# Altium PCB mdriver_control.PcbDoc (part 1 of 3)
Units mm, origin at the board's own origin, x right, y up, seen from the top; angles counter-clockwise.
Board outline 165 x 187 mm, 4 copper layers (Top Layer, Int1 (GND), Int2 (PWR), Bottom Layer), stack 1.369 mm thick; 150 components, 152 nets, 724 pads, 366 vias.
Unrouted connection lines stored in the file: 52.
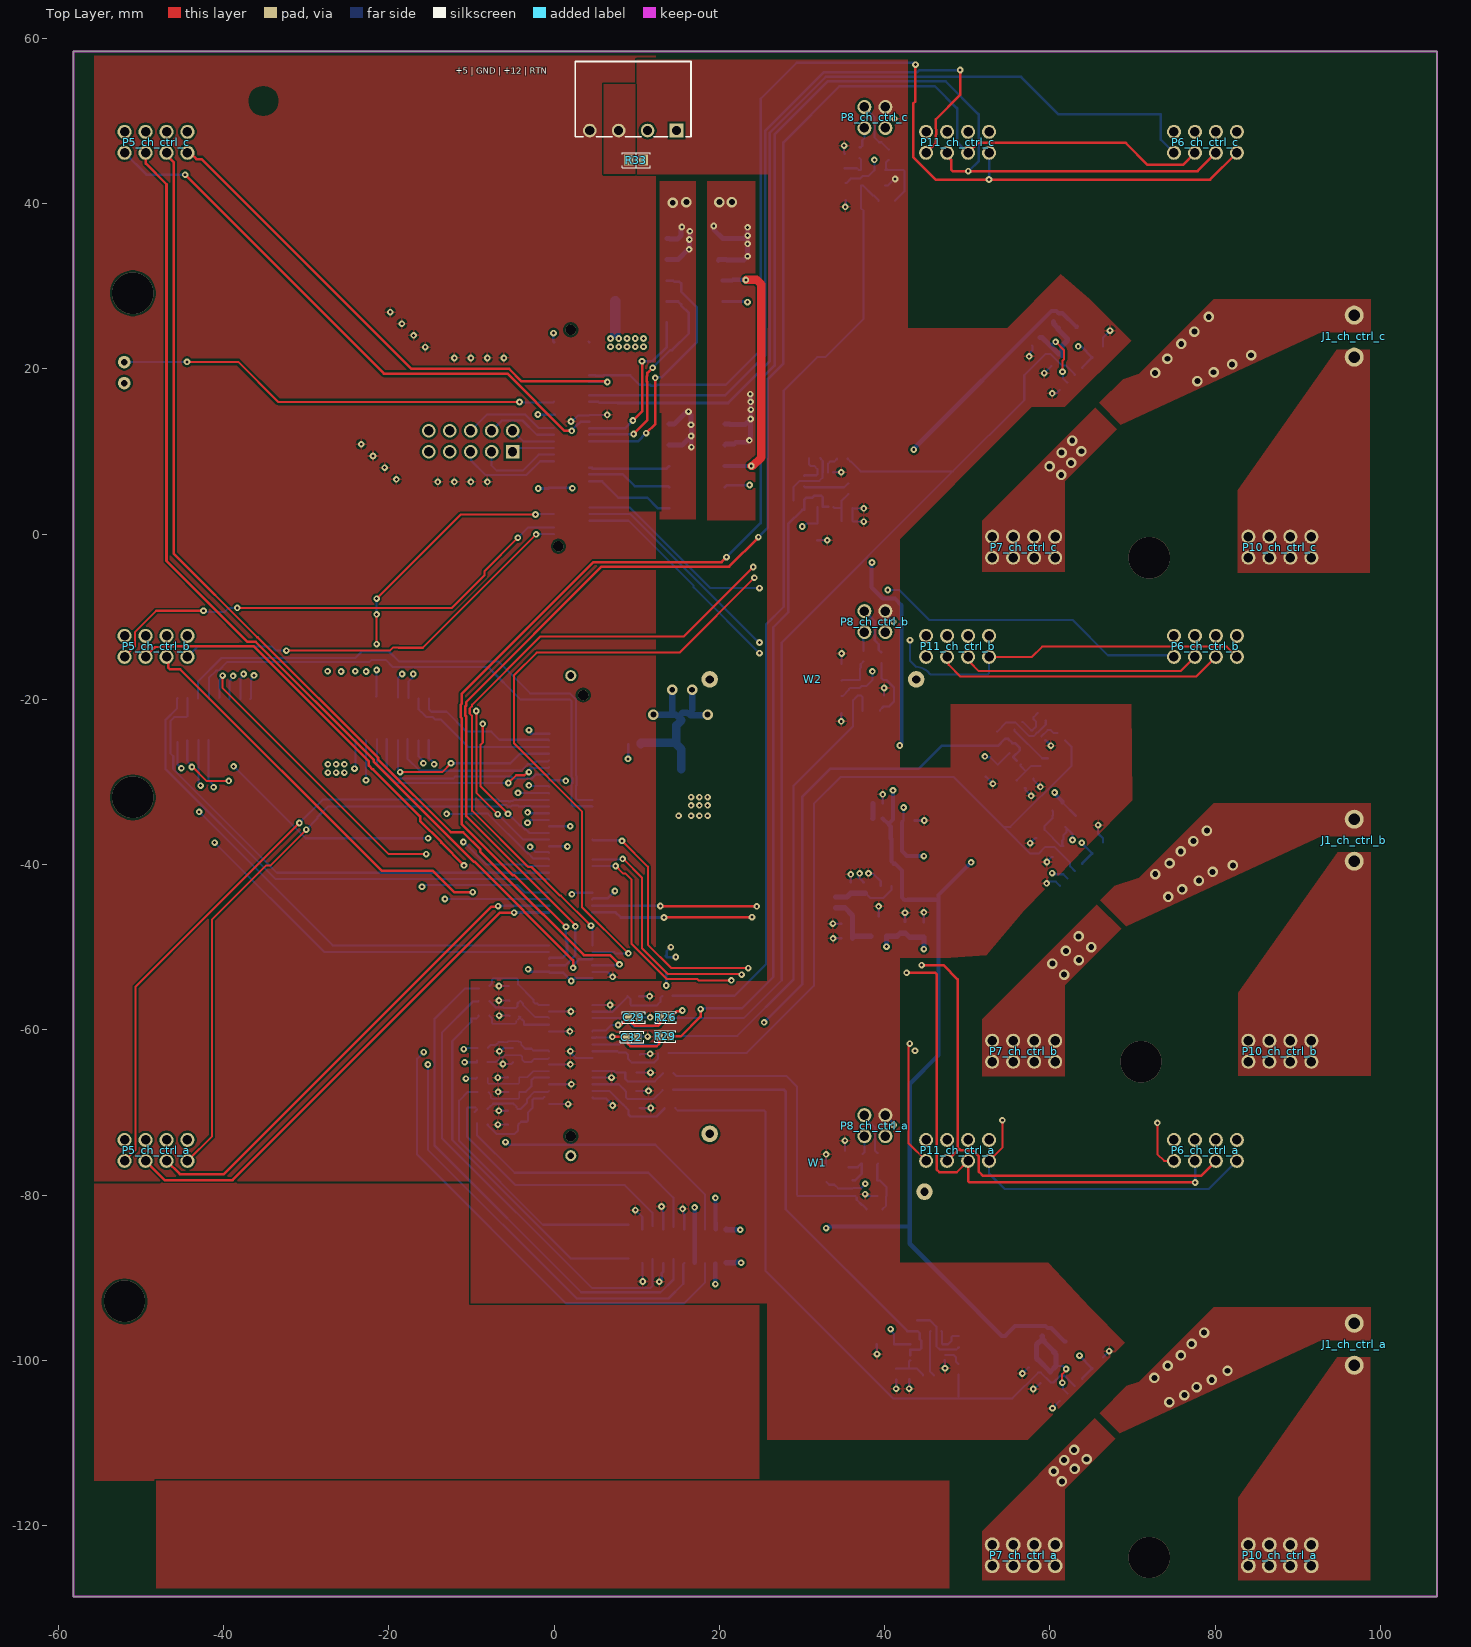
[diagram p0: Top Layer view]
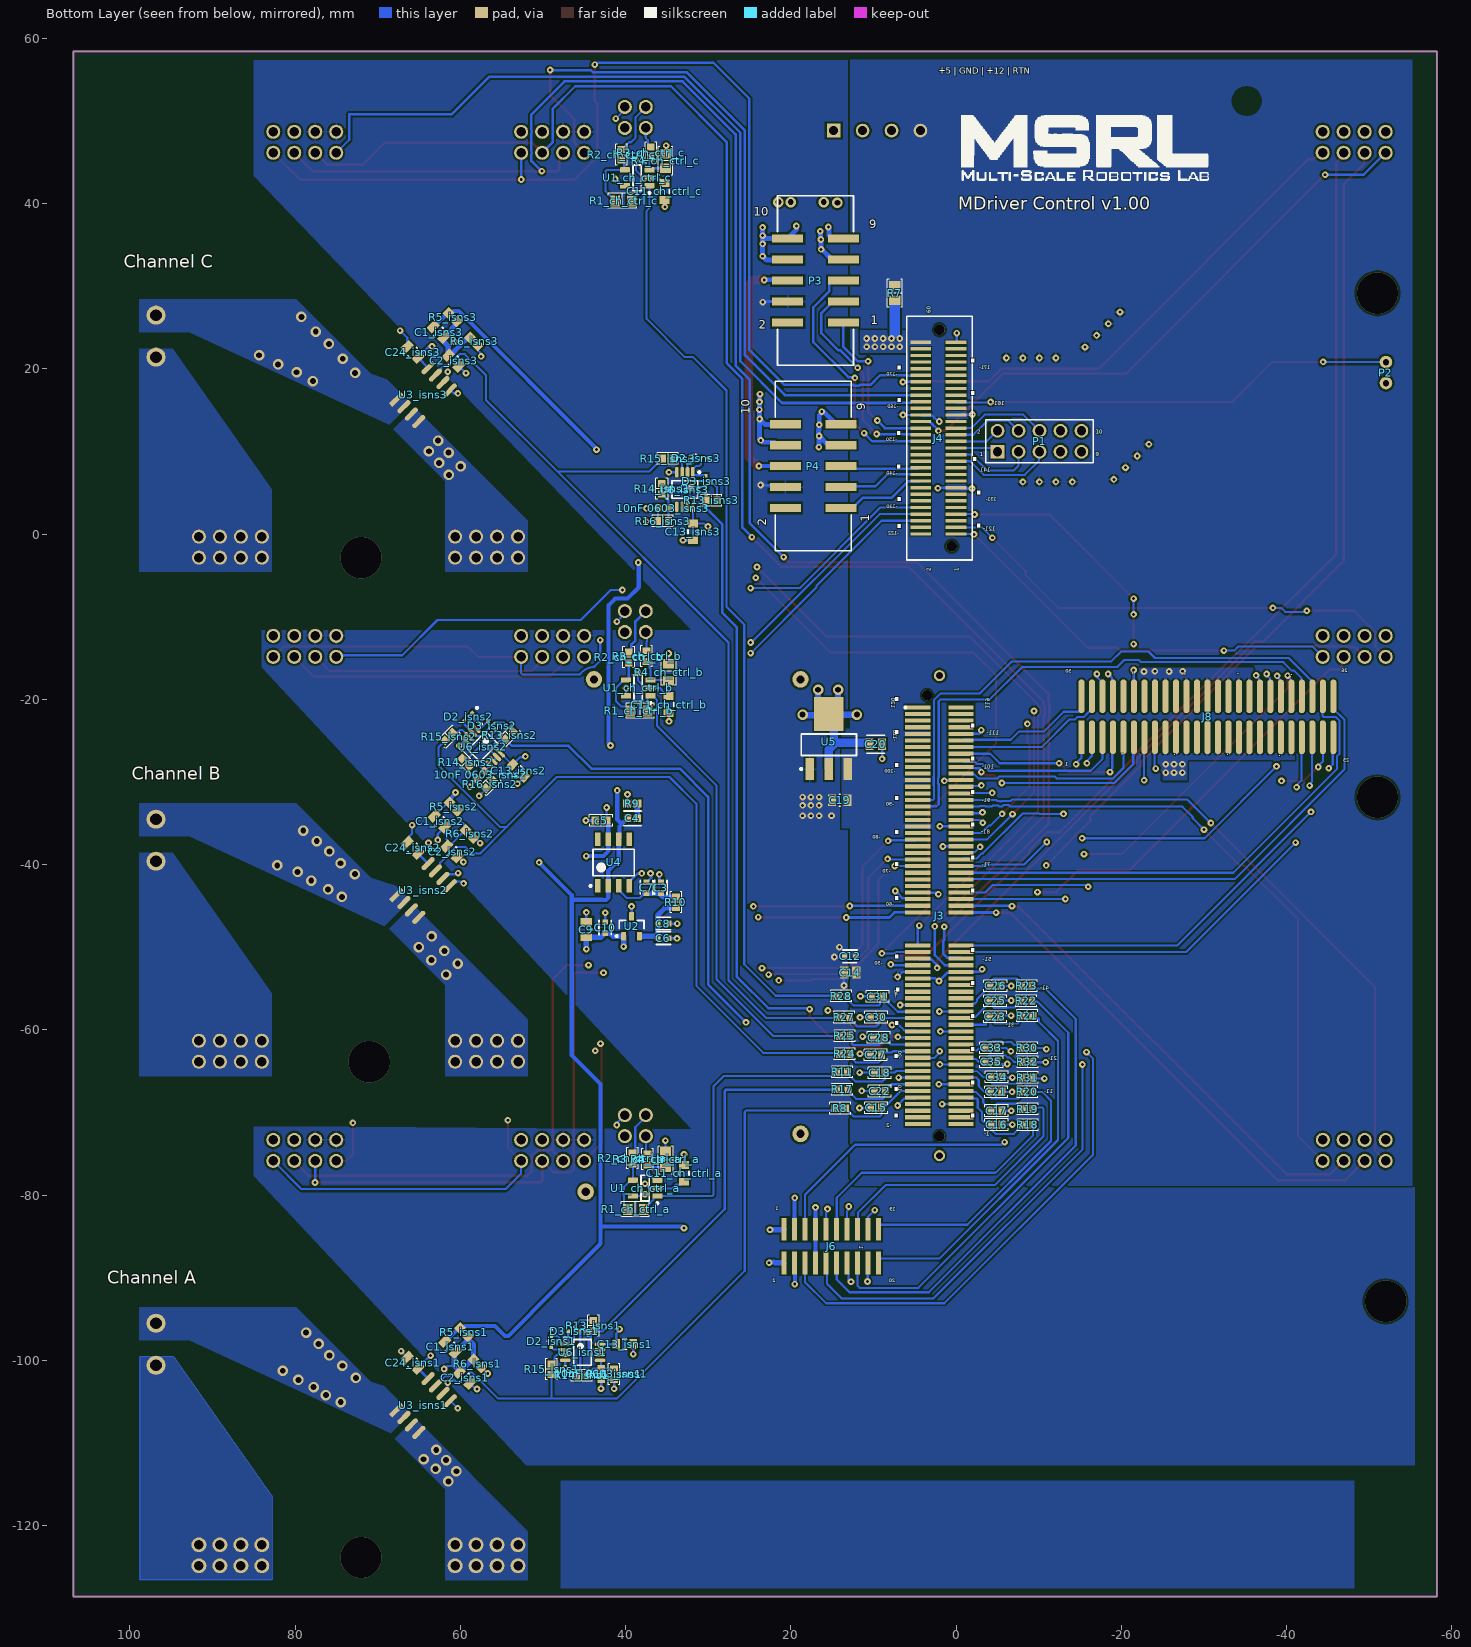
[diagram p1: Bottom Layer view, seen from below]
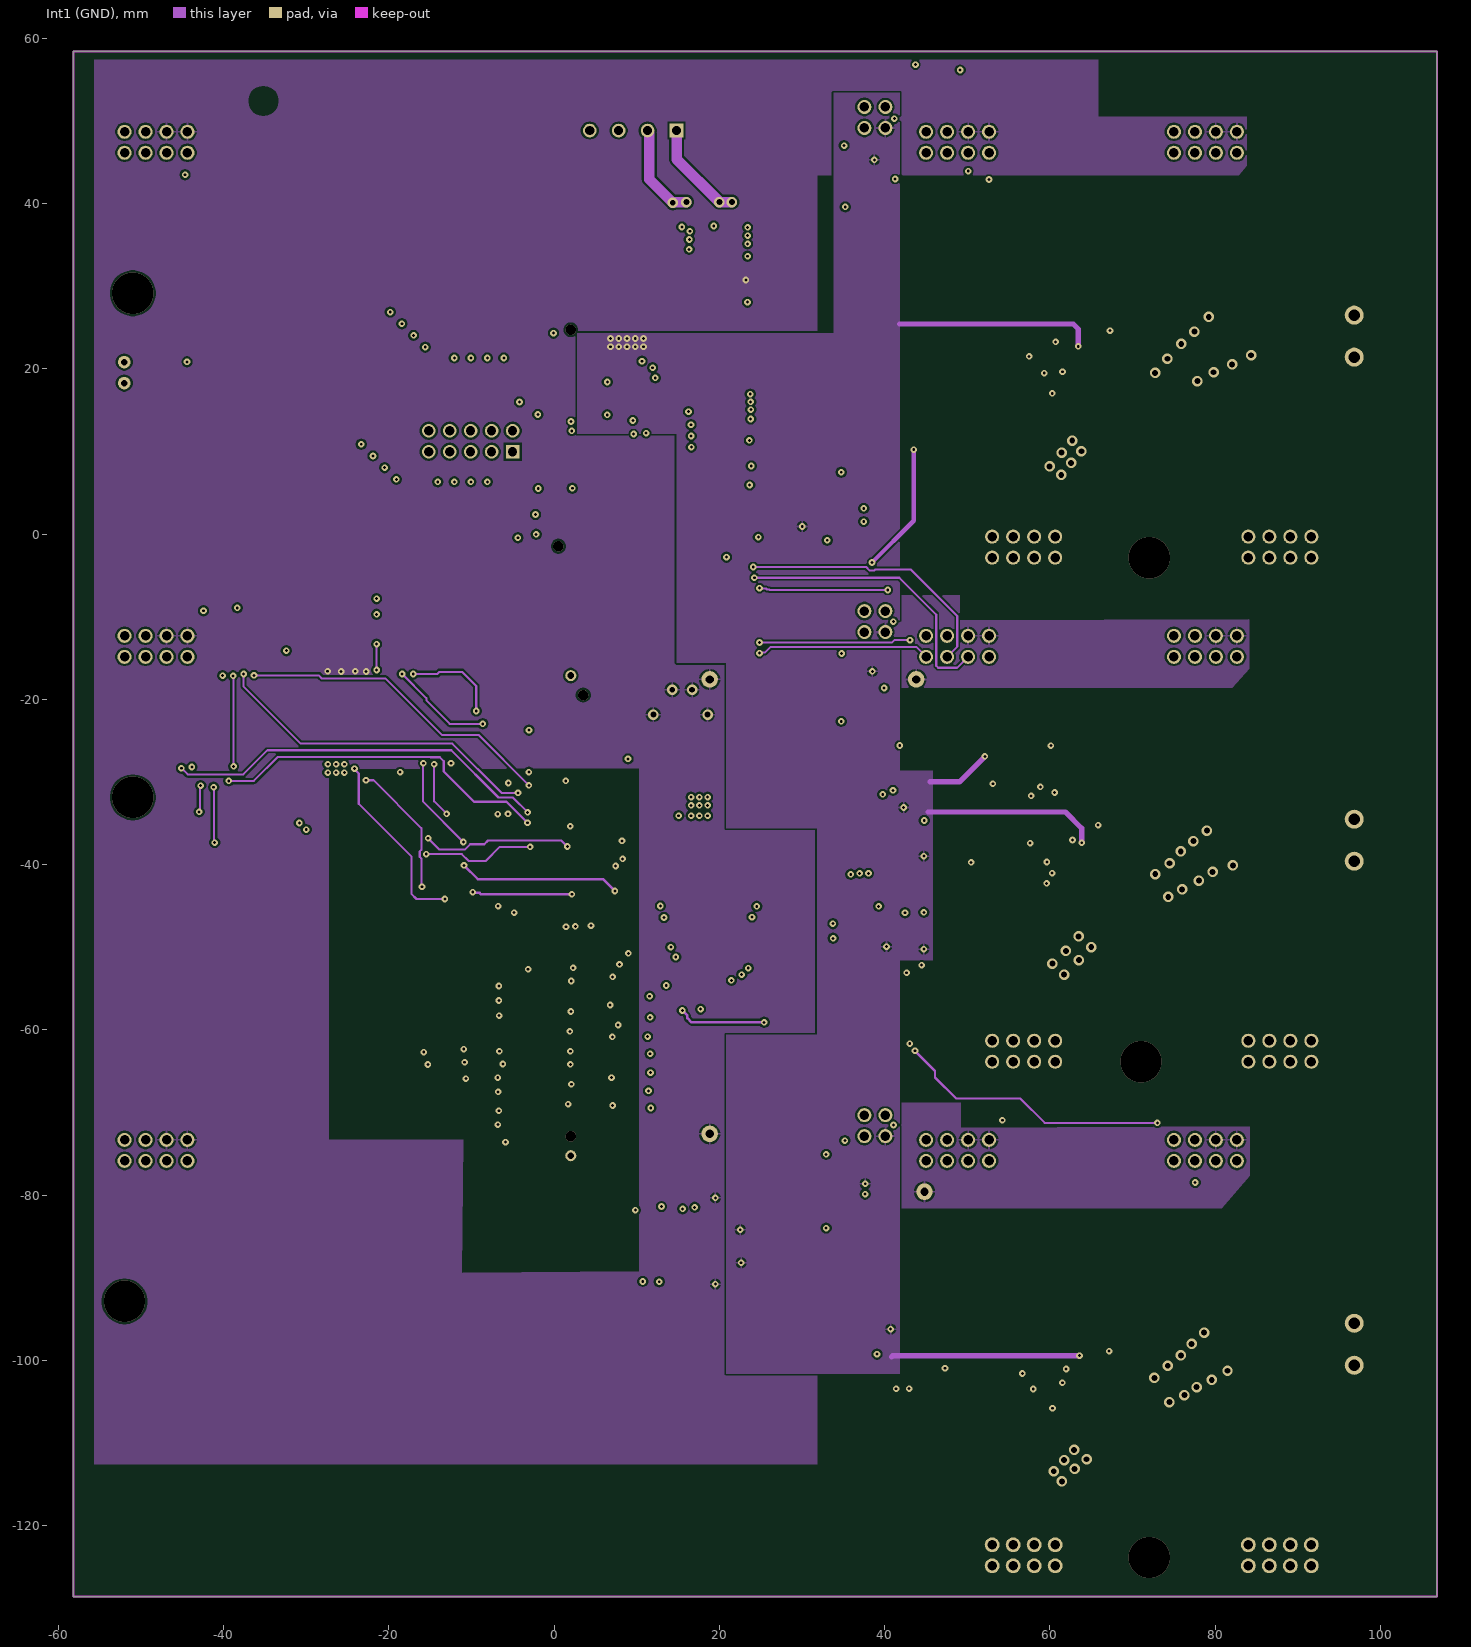
[diagram p2: Int1 (GND)]
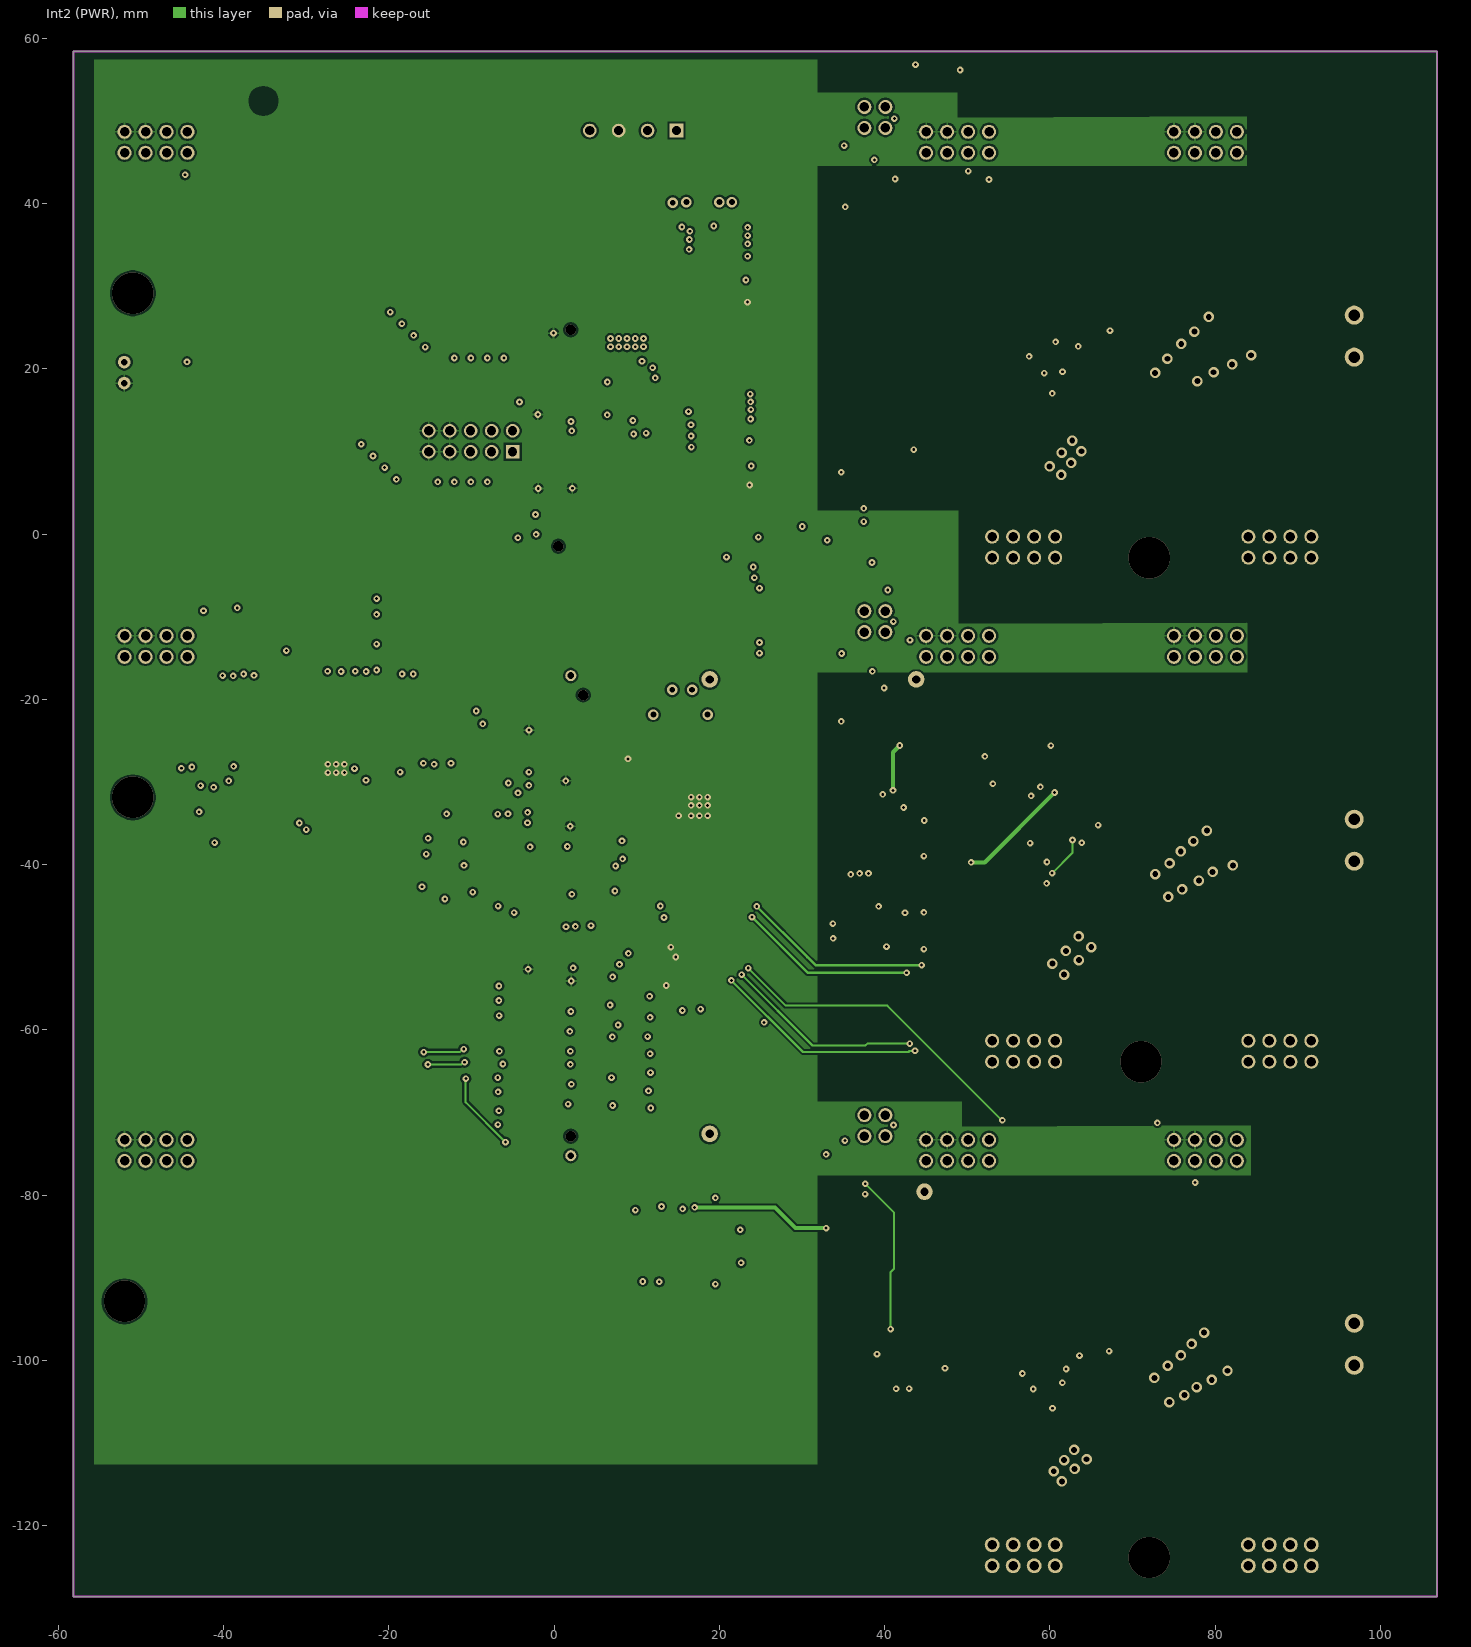
[diagram p3: Int2 (PWR)]
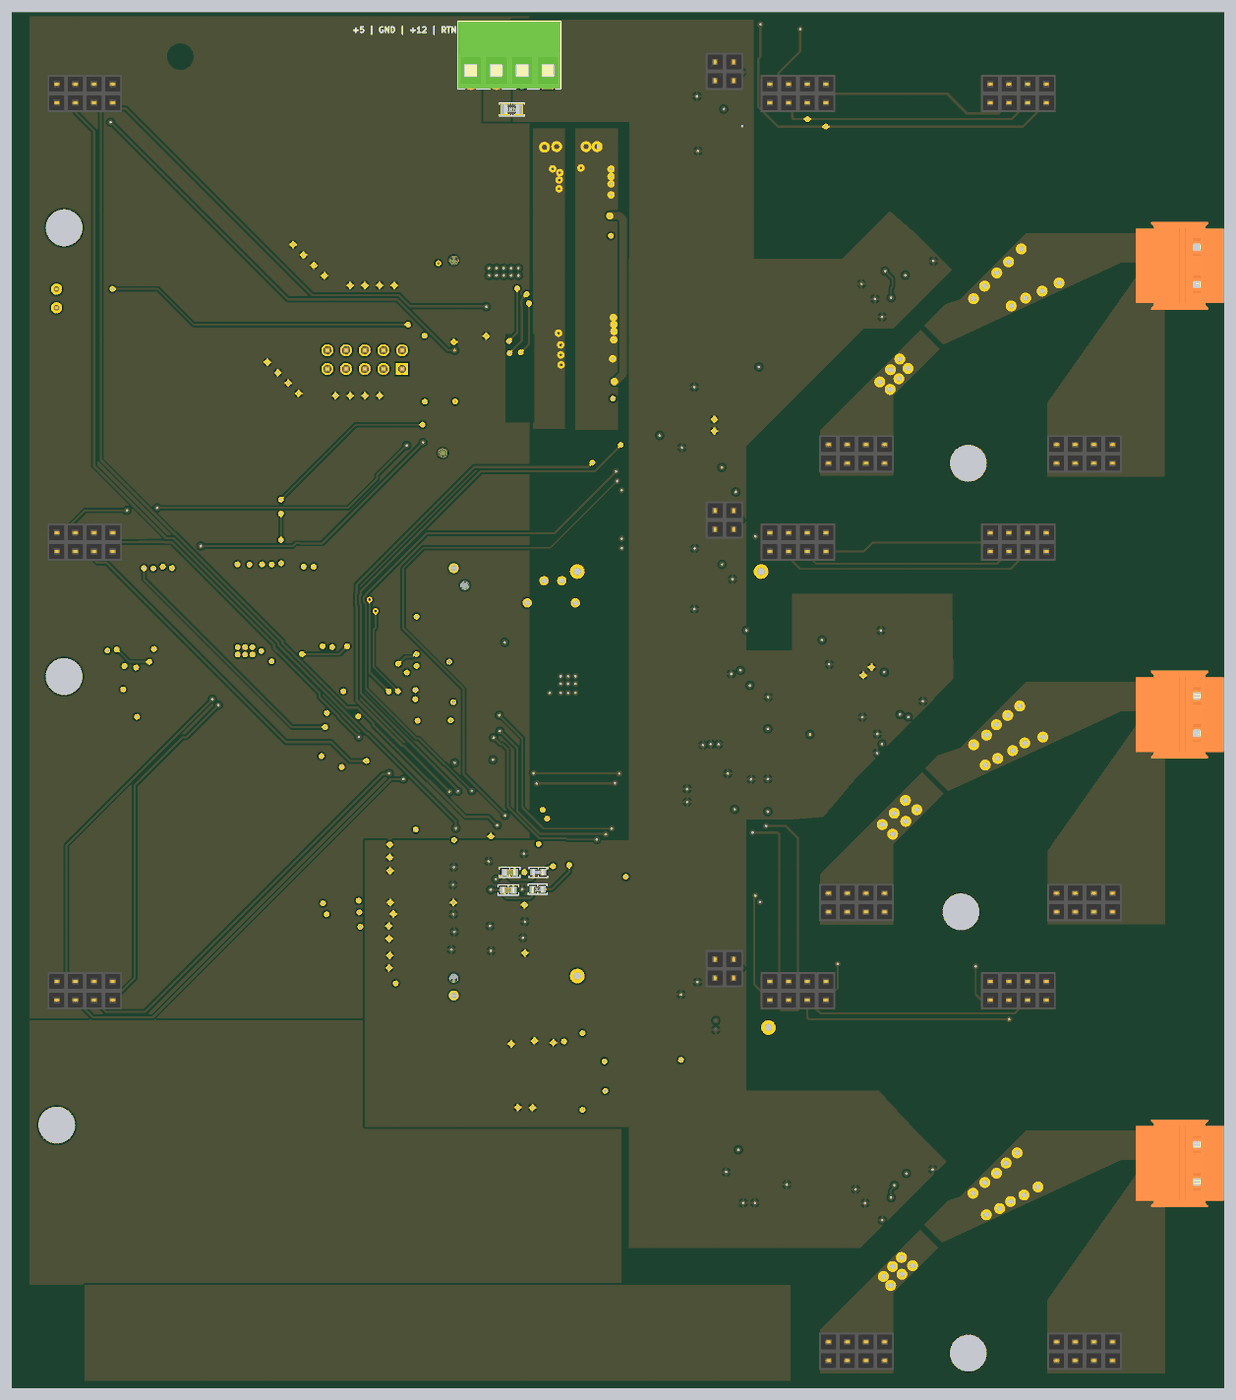
[diagram p6: 3D render of the assembled board from above, using the file's embedded part models]
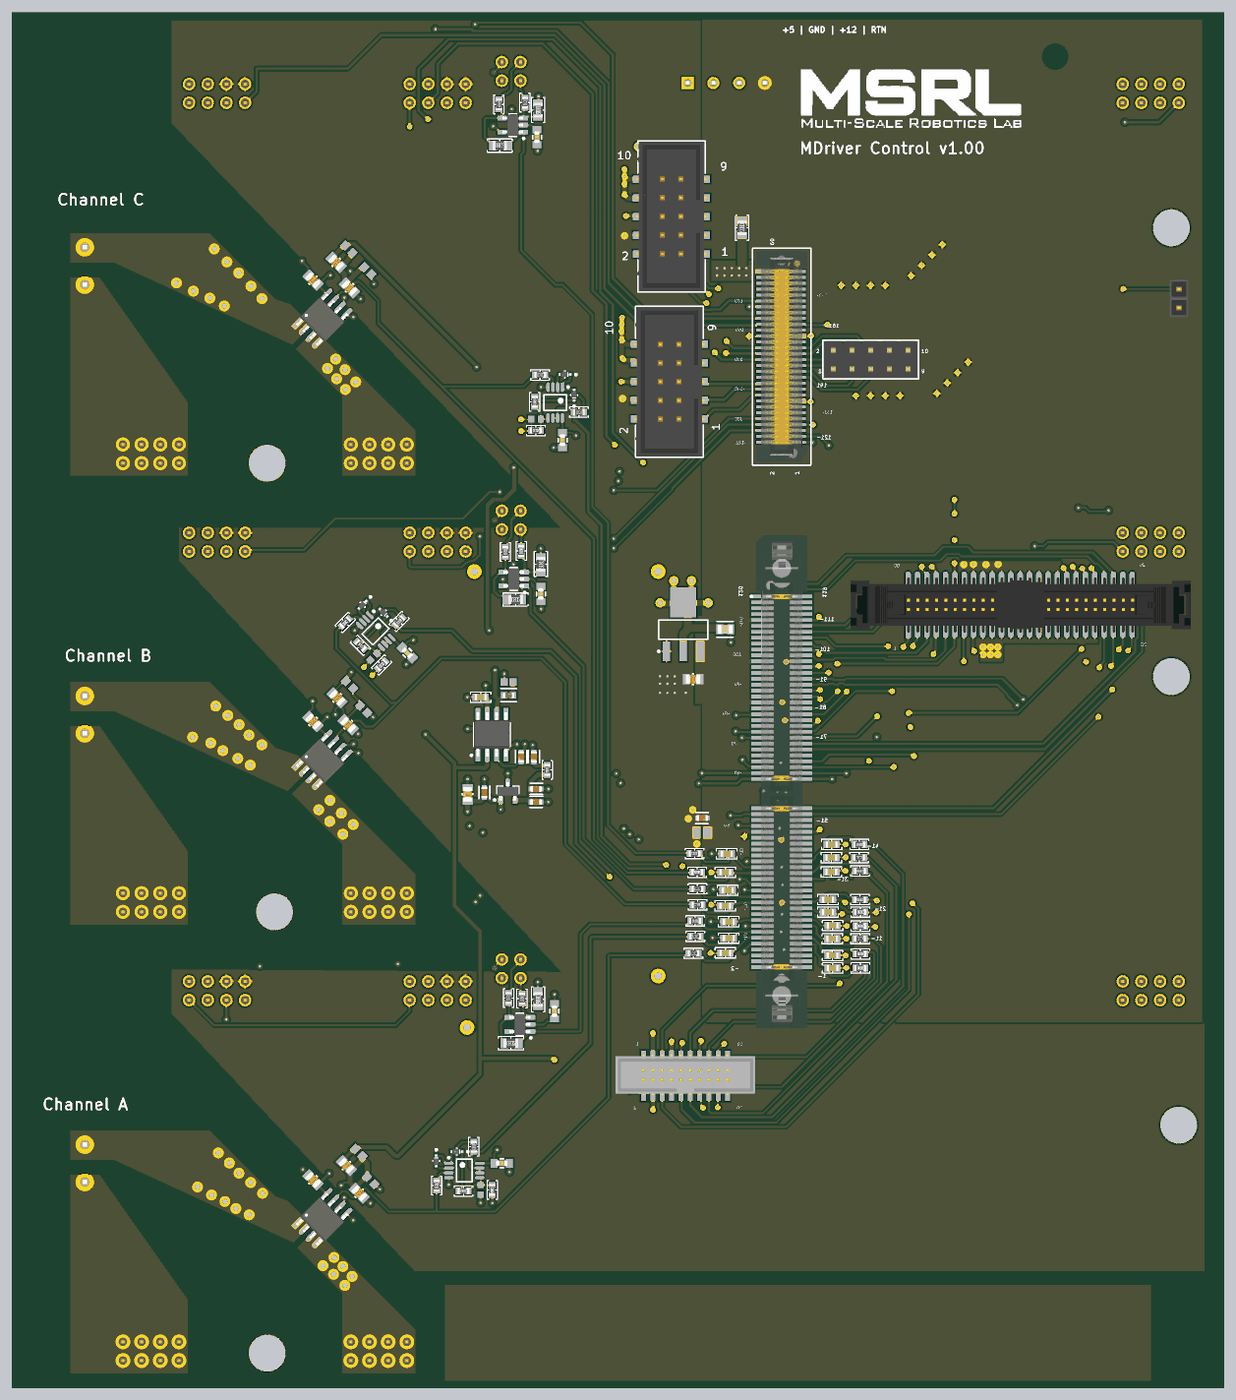
[diagram p7: 3D render of the assembled board from below, using the file's embedded part models]

## Layer stack, top to bottom
Top Solder: solder mask 0.0254, SM-001, Dk 4
Top Layer: signal copper 0.035
Dielectric 1: prepreg 0.1295, PP-017, Dk 4.3
Dielectric 2: prepreg 0.1295, PP-017, Dk 4.3
Int1 (GND): signal copper 0.035
Dielectric 3: core 0.7112, Core-039, Dk 4.8
Int2 (PWR): signal copper 0.035
Dielectric 4: prepreg 0.1295, PP-017, Dk 4.3
Dielectric 5: prepreg 0.1295, PP-017, Dk 4.3
Bottom Layer: signal copper 0.035
Bottom Solder: solder mask 0.0254, SM-001, Dk 4

## Board outline
-58.175,-128.587 106.825,-128.587 106.825,58.413 -58.175,58.413

## Design rules (kind name [scope] priority, off if disabled: settings)
Clearance low_clearance [All vs InPadClass('low_clearance')] p1: gap=0.152 ignorepadtopadclearanceinfootprint=FALSE
Clearance Clearance_1 [All] p2: gap=0.254 ignorepadtopadclearanceinfootprint=FALSE
Height [All] p1: minheight=0 maxheight=1270 prefheight=12.7
HoleSize [All] p1: absolutevalues=TRUE maxlimit=127 minlimit=0.025 maxpercent=80.000 minpercent=20.000
MinimumSolderMaskSliver small_sliver [InPadClass('low_clearance')] p1: minsoldermaskwidth=0.076
MinimumSolderMaskSliver MinimumSolderMaskSliver_1 [All] p2: minsoldermaskwidth=0.152
PolygonConnect [All] p1: connectstyle=Relief reliefconductorwidth=0.254 reliefentries=4 polygonreliefangle="90 Angle" airgapwidth=0.254
RoutingVias [All] p1: holewidth=0.254 width=0.508 viastyle="Through Hole" minholewidth=0.35 minwidth=0.8 maxholewidth=0.711 maxwidth=1.27
SilkToSilkClearance [All] p1: silktosilkclearance=0.1
SilkToSolderMaskClearance [IsPad] p1: minsilkscreentomaskgap=0.114 clearancetoexposedcopper=TRUE
SolderMaskExpansion [All] p1: expansion=0.102 istentingtop=FALSE
Width [All] p1: maxlimit=2.54 minlimit=0.152 preferedwidth=0.254
25 further rules are at their usual default settings.

## Classes and differential pairs
component class slv: C16 C17 C21 C23 C25 C26 C33 C34 C35 J6 R18 R19 R20 R21 R22 R23 R30 R31 R32
pad class low_clearance: J4-1 J4-2 J4-3 J4-4 J4-5 J4-6 J4-7 J4-8 J4-9 J4-10 J4-11 J4-12 J4-13 J4-14 J4-15 J4-16 J4-17 J4-18 J4-19 J4-20 J4-21 J4-22 J4-23 J4-24 J4-25 J4-26 J4-27 J4-28 J4-29 J4-30 J4-31 J4-32 J4-33 J4-34 J4-35 J4-36 J4-37 J4-38 J4-39 J4-40 J4-41 J4-42 J4-43 J4-44 J4-45 J4-46 J4-47 J4-48 J4-49 J4-50 J4-51 J4-52 J4-53 J4-54 J4-55 J4-56 J4-57 J4-58 J4-59 J4-60 U3_isns1-1 U3_isns1-2 U3_isns1-3 U3_isns1-4 U3_isns1-5 U3_isns1-6 U3_isns1-7 U3_isns1-8 U3_isns2-1 U3_isns2-2 U3_isns2-3 U3_isns2-4 U3_isns2-5 U3_isns2-6 U3_isns2-7 U3_isns2-8 U3_isns3-1 U3_isns3-2 U3_isns3-3 U3_isns3-4 U3_isns3-5 U3_isns3-6 U3_isns3-7 U3_isns3-8 U6_isns1-1 U6_isns1-2 U6_isns1-3 U6_isns1-4 U6_isns1-5 U6_isns1-6 U6_isns1-7 U6_isns1-8 U6_isns2-1 U6_isns2-2 U6_isns2-3 U6_isns2-4 U6_isns2-5 U6_isns2-6 U6_isns2-7 U6_isns2-8 U6_isns3-1 U6_isns3-2 U6_isns3-3 U6_isns3-4 U6_isns3-5 U6_isns3-6 U6_isns3-7 U6_isns3-8
channel class current_sense: isns1 isns2 isns3
channel class channel_ctrl: ch_ctrl_a ch_ctrl_b ch_ctrl_c
component class isns3: "10nF 0603_isns3" C1_isns3 C2_isns3 C13_isns3 C24_isns3 D2_isns3 D3_isns3 R5_isns3 R6_isns3 R13_isns3 R14_isns3 R15_isns3 R16_isns3 U3_isns3 U6_isns3
component class isns1: "10nF 0603_isns1" C1_isns1 C2_isns1 C13_isns1 C24_isns1 D2_isns1 D3_isns1 R5_isns1 R6_isns1 R13_isns1 R14_isns1 R15_isns1 R16_isns1 U3_isns1 U6_isns1
component class ch_ctrl_c: C11_ch_ctrl_c J1_ch_ctrl_c P5_ch_ctrl_c P6_ch_ctrl_c P7_ch_ctrl_c P8_ch_ctrl_c P10_ch_ctrl_c P11_ch_ctrl_c R1_ch_ctrl_c R2_ch_ctrl_c R3_ch_ctrl_c R4_ch_ctrl_c U1_ch_ctrl_c
component class ch_ctrl_a: C11_ch_ctrl_a J1_ch_ctrl_a P5_ch_ctrl_a P6_ch_ctrl_a P7_ch_ctrl_a P8_ch_ctrl_a P10_ch_ctrl_a P11_ch_ctrl_a R1_ch_ctrl_a R2_ch_ctrl_a R3_ch_ctrl_a R4_ch_ctrl_a U1_ch_ctrl_a
component class ch_ctrl_b: C11_ch_ctrl_b J1_ch_ctrl_b P5_ch_ctrl_b P6_ch_ctrl_b P7_ch_ctrl_b P8_ch_ctrl_b P10_ch_ctrl_b P11_ch_ctrl_b R1_ch_ctrl_b R2_ch_ctrl_b R3_ch_ctrl_b R4_ch_ctrl_b U1_ch_ctrl_b
component class isns2: "10nF 0603_isns2" C1_isns2 C2_isns2 C13_isns2 C24_isns2 D2_isns2 D3_isns2 R5_isns2 R6_isns2 R13_isns2 R14_isns2 R15_isns2 R16_isns2 U3_isns2 U6_isns2
component class top_tnb_mns_control: C3 C4 c5 C6 C7 C8 C9 C10 C12 C14 C15 C18 C19 C20 C22 C27 C28 C29 C30 C31 C32 J3 J4 J8 P1 P2 P3 P4 R7 R8 R9 R10 R11 R17 R24 R25 R26 R27 R28 R29 R33 U2 U4 U5 W1 W2
